# Altium PCB pcb.PcbDoc (part 1 of 4) (continued)
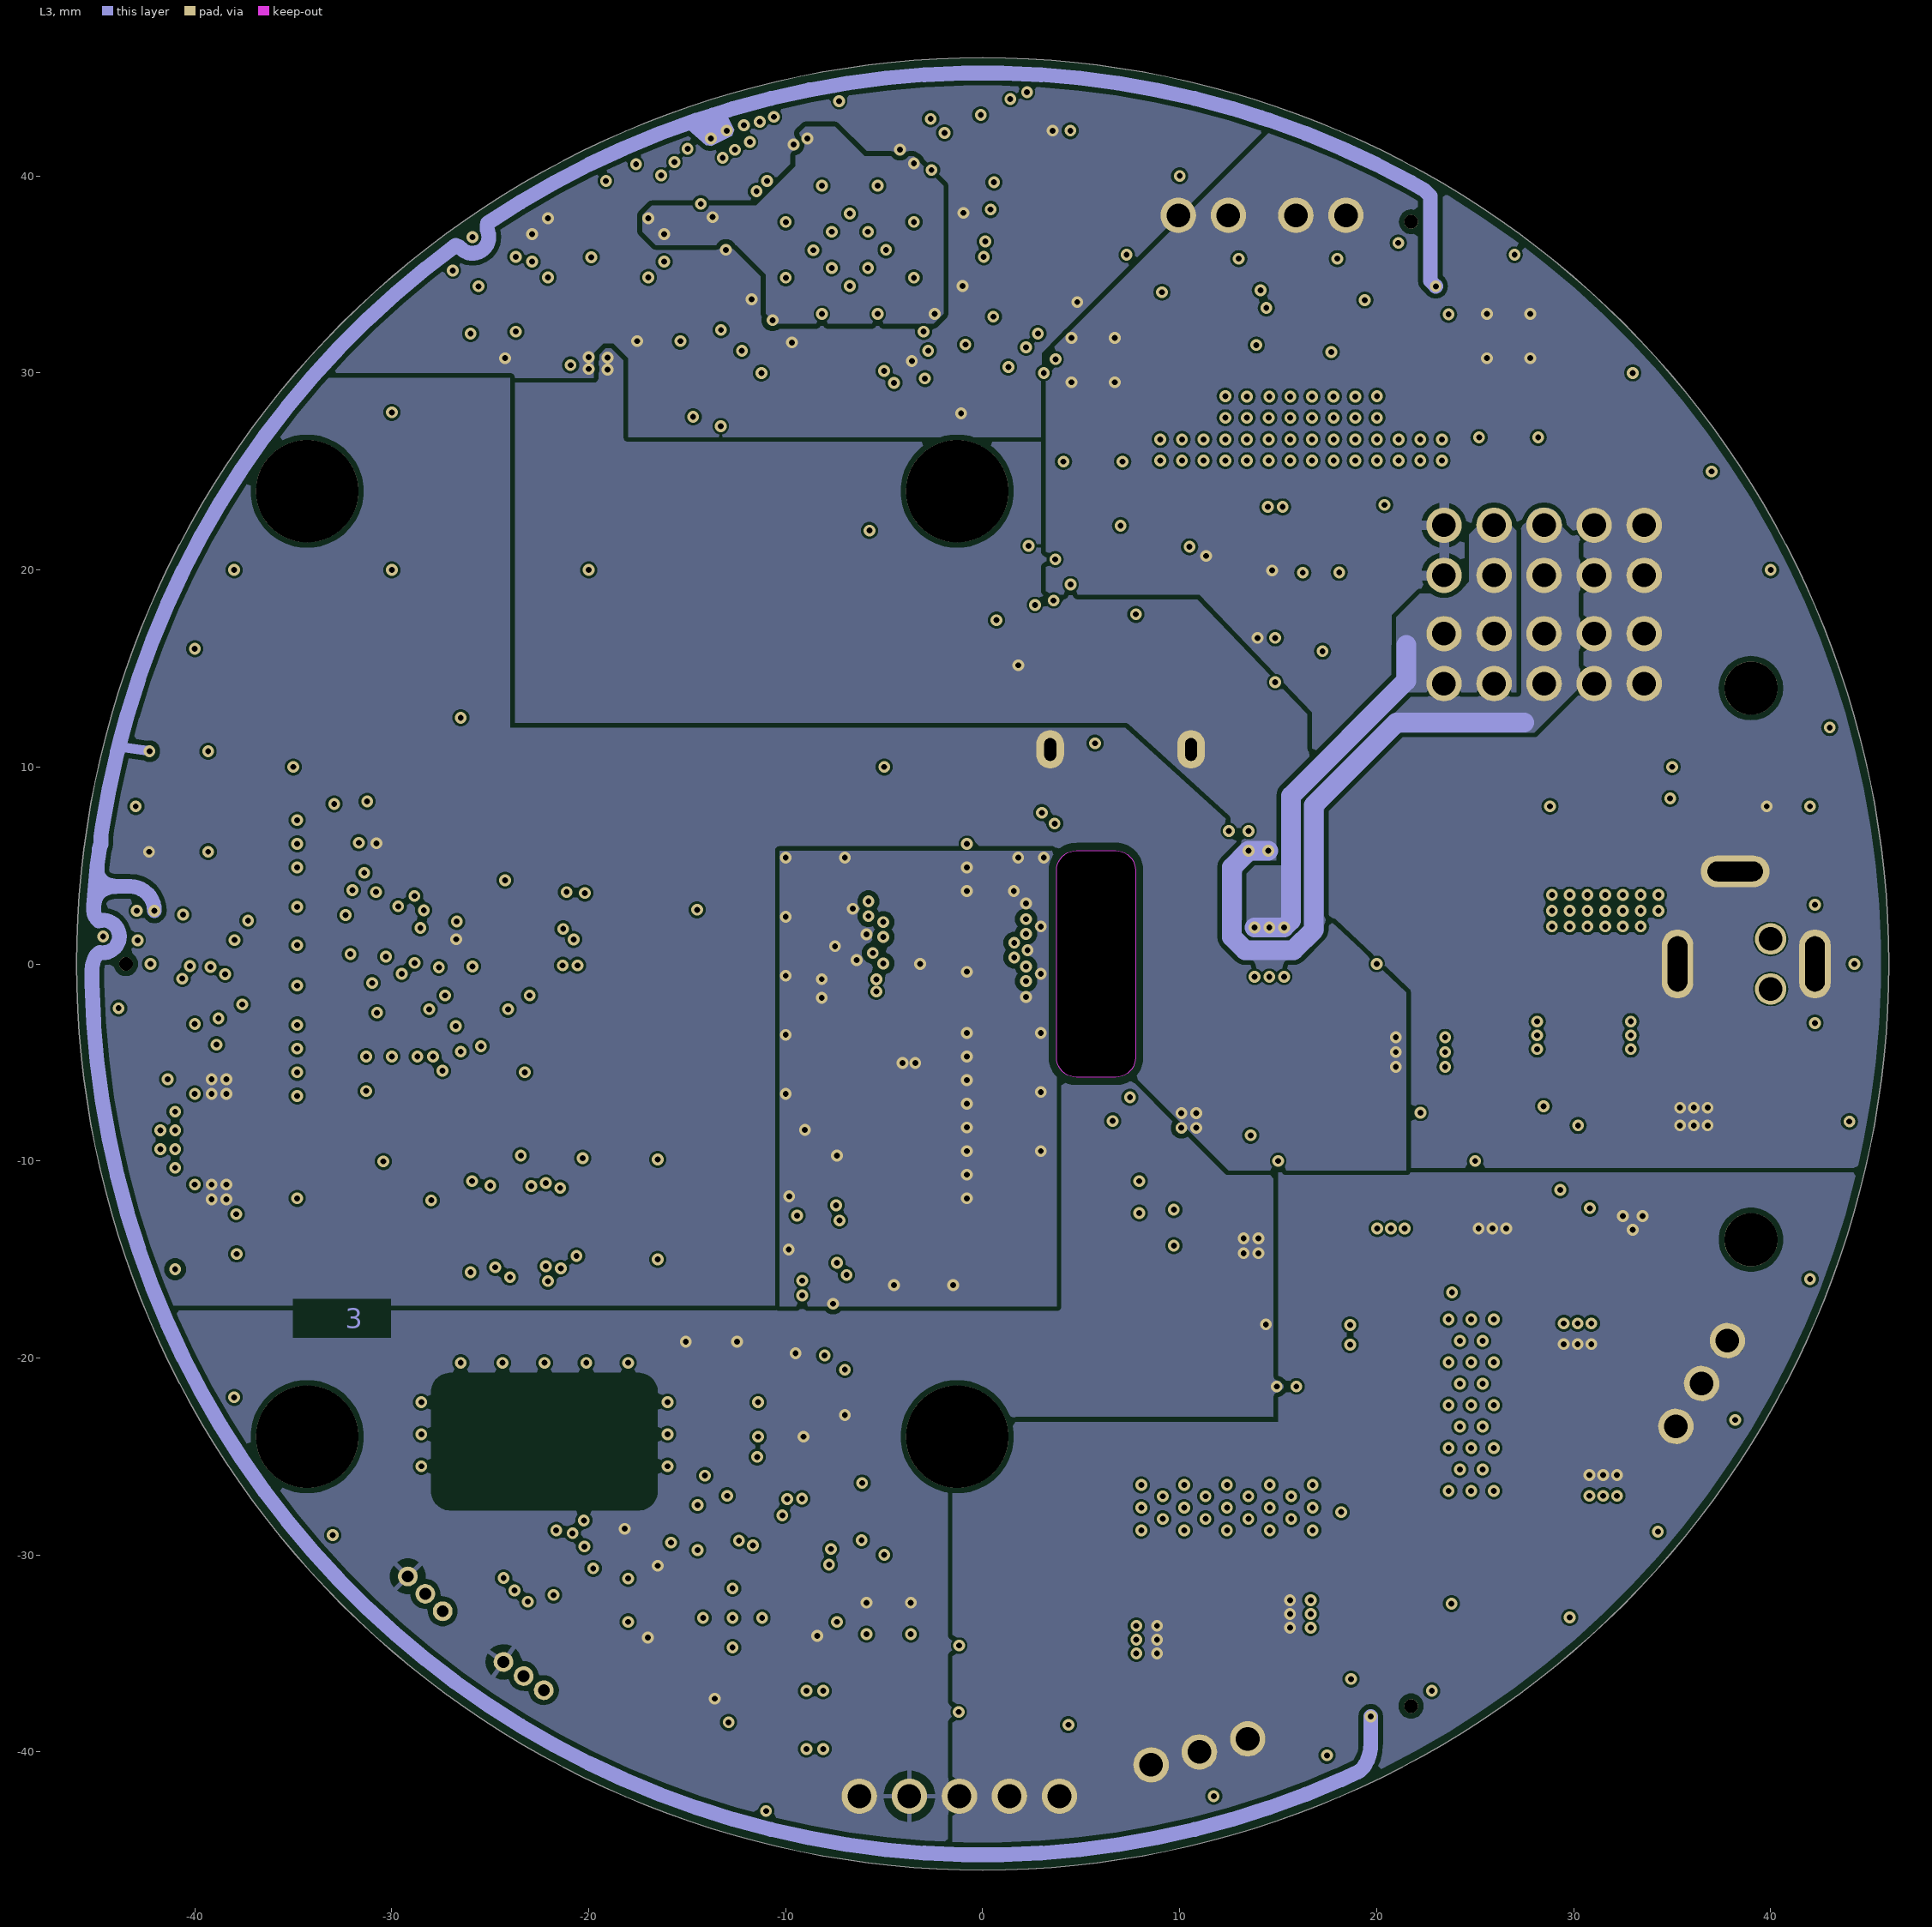
[diagram p3: L3]
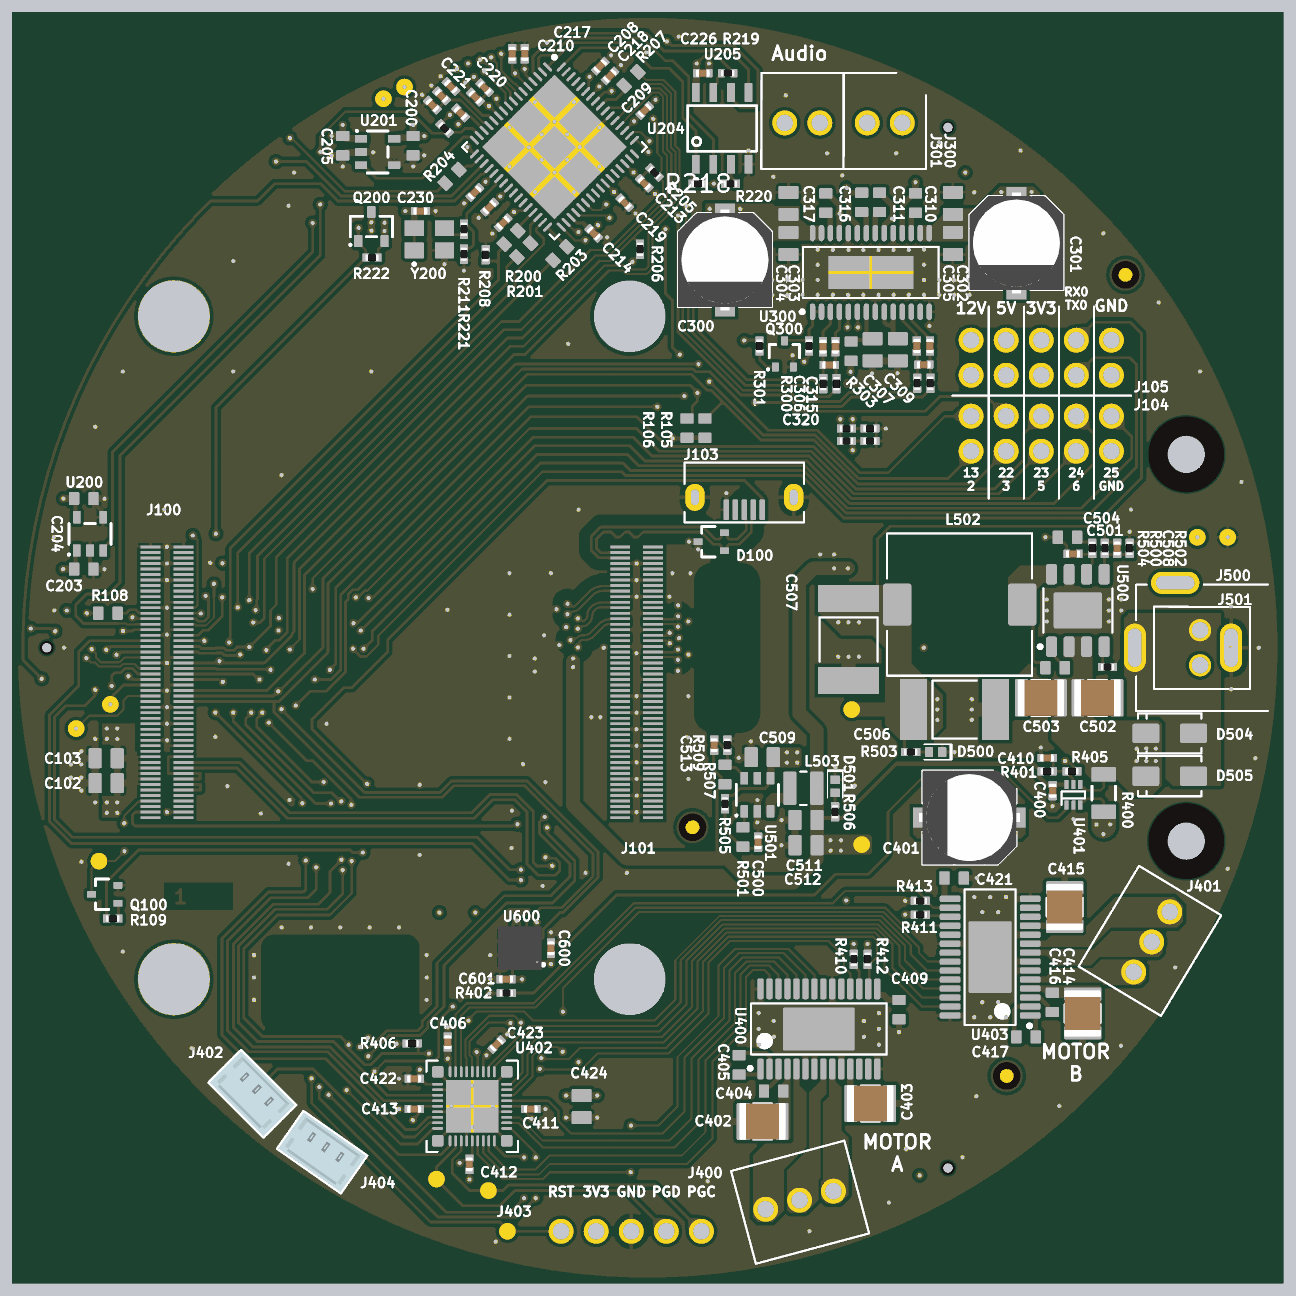
[diagram p7: 3D render of the assembled board from above, using the file's embedded part models]

## Layer stack, top to bottom
Top Solder: solder mask 0.0102, Solder Resist, Dk 3.5
L1: signal copper 0.035
Dielectric 2: prepreg 0.122, FR4, Dk 4.2
L2: signal copper 0.035
Dielectric 1: dielectric 1.15, FR-4, Dk 4.2
L3: signal copper 0.035
Dielectric 5: prepreg 0.122, FR4, Dk 4.2
L4: signal copper 0.035
Bottom Solder: solder mask 0.0102, Solder Resist, Dk 3.5

## Board outline
0,-46 cw(c0,0) -46,0 cw(c0,0) 0,46 cw(c0,0) 46,0 cw(c0,0)
cut-out: 3.75,-4.75 3.75,4.75 cw(c4.75,4.75) 4.75,5.75 6.75,5.75 cw(c6.75,4.75) 7.75,4.75 7.75,-4.75 cw(c6.75,-4.75) 6.75,-5.75 4.75,-5.75 cw(c4.75,-4.75)

## Design rules (kind name [scope] priority, off if disabled: settings)
AssemblyTestPointUsage [All] p1 off: valid=2
AssemblyTestpoint [All] p1 off: testpointundercomponent=TRUE minsize=1.016 maxsize=2.54 preferedsize=1.524 minholesize=0 maxholesize=1.016 preferedholesize=0.813 testpointgrid=0.025 usegrid=TRUE gridtolerance=0 allowsidetop=TRUE allowsidebottom=TRUE
BoardOutlineClearance [All] p1: gap=0.4 ignorepadtopadclearanceinfootprint=FALSE
Clearance Clearance_DiffToPolyEXT [InDifferentialPairClass('100ohm_diff') or InDifferentialPairClass('USB') vs InPoly AND OnOutside] p1: gap=0.8 ignorepadtopadclearanceinfootprint=FALSE
Clearance Clearance_DiffToPolyINT [InDifferentialPairClass('100ohm_diff') or InDifferentialPairClass('USB') vs InPoly] p2: gap=0.4 ignorepadtopadclearanceinfootprint=FALSE
Clearance Clearance_12VPoly [InNet('12V') OR InNet('12VMOT') OR InNet('12V_AUDIO_AVCC') vs InPoly] p3: gap=0.3 ignorepadtopadclearanceinfootprint=FALSE except(0.275: Arc-Hole Track-Hole SMDPad-Hole THPad-Hole Via-Hole Fill-Hole Poly-Hole Region-Hole Text-Hole)
Clearance Clearance_PolyEXT [InPoly] p4: gap=0.25 ignorepadtopadclearanceinfootprint=FALSE except(0.275: Arc-Hole Track-Hole SMDPad-Hole THPad-Hole Via-Hole Fill-Hole Poly-Hole Region-Hole Text-Hole)
Clearance Clearance_MicHoles [InComponent('MIC200') OR InComponent('MIC201') OR InComponent('MIC202') OR InComponent('MIC203')] p5: gap=0.15 ignorepadtopadclearanceinfootprint=FALSE
Clearance [All] p6: gap=0.15 ignorepadtopadclearanceinfootprint=FALSE except(0.275: Arc-Hole Track-Hole SMDPad-Hole THPad-Hole Via-Hole Fill-Hole Poly-Hole Region-Hole Text-Hole)
ComponentClearance RPI_ComponentClearance [InComponent('ASM100') vs InComponent('J100') or InComponent('J101')] p1: gap=-50 collisioncheckmode=3 verticalgap=2540 showdistances=FALSE checkcomponentboundary=TRUE
ComponentClearance PowerConnectorClearance [InComponent('J500') vs InComponent('J501')] p2: gap=-50 collisioncheckmode=3 verticalgap=2540 showdistances=FALSE checkcomponentboundary=TRUE
ComponentClearance [All] p3: gap=0 collisioncheckmode=3 verticalgap=0.1 showdistances=FALSE donotcheckwithout3dbody=TRUE
DiffPairsRouting DiffPairsRouting_100ohm [InDifferentialPairClass('100ohm_diff')] p1: maxlimit=0.254 minlimit=0.15 mostfreqgap=0.254 toplayer_mingap=0.16 toplayer_maxgap=0.181 toplayer_prefgap=0.18 toplayer_minwidth=0.15 toplayer_maxwidth=0.159 toplayer_prefwidth=0.158 bottomlayer_mingap=0.16 bottomlayer_maxgap=0.181 bottomlayer_prefgap=0.18 bottomlayer_minwidth=0.15 bottomlayer_maxwidth=0.159 bottomlayer_prefwidth=0.158 impedanceprofiledriven=TRUE impedanceprofileid={0884B48A-7691-40C5-9A34-36CA699BFCDF} impedanceprofilevalue=100.000000 maxuncoupledlength=12.7
DiffPairsRouting DiffPairsRouting_USB [InDifferentialPairClass('USB')] p2: maxlimit=0.254 minlimit=0.15 mostfreqgap=0.254 toplayer_mingap=0.175 toplayer_maxgap=0.175 toplayer_prefgap=0.175 toplayer_minwidth=0.197 toplayer_maxwidth=0.197 toplayer_prefwidth=0.197 bottomlayer_mingap=0.175 bottomlayer_maxgap=0.175 bottomlayer_prefgap=0.175 bottomlayer_minwidth=0.197 bottomlayer_maxwidth=0.197 bottomlayer_prefwidth=0.197 impedanceprofiledriven=TRUE impedanceprofileid={7C0F7D98-D337-4360-AD67-678D260CBDDC} impedanceprofilevalue=90.000000 maxuncoupledlength=12.7
FabricationTestPointUsage [All] p1 off: valid=2 allowmultiple=FALSE
FabricationTestpoint [All] p1 off: side=3 testpointundercomponent=TRUE minsize=1.016 maxsize=2.54 preferedsize=1.524 minholesize=0 maxholesize=1.016 preferedholesize=0.813 testpointgrid=0.025 allowsidetop=TRUE allowsidebottom=TRUE usegrid=TRUE gridtolerance=0
Height [All] p1 off: minheight=0 maxheight=25.4 prefheight=12.7
HoleSize [All] p1: absolutevalues=TRUE maxlimit=6 minlimit=0.3 maxpercent=80.000 minpercent=20.000
HoleToHoleClearance [All] p1: gap=0.2 allowstackedmicrovias=FALSE
MatchedLengths MatchedLengths_USB [InDifferentialPairClass('USB')] p1: tolerance=0.15 checknetsindiffpair=TRUE checkdiffpairvsdiffpair=FALSE checkxsignals=FALSE checkothers=FALSE
MinimumSolderMaskSliver [All] p1: minsoldermaskwidth=0.1
PolygonConnect 5V_converter_poly [All vs IsNamedPolygon('TOP_5V_converter')] p1: connectstyle=Direct reliefconductorwidth=0.254 reliefentries=4 polygonreliefangle="90 Angle" airgapwidth=0.254
PolygonConnect PolygonConnect_HighPower [InNet('12V')] p2: connectstyle=Direct reliefconductorwidth=0.254 reliefentries=4 polygonreliefangle="90 Angle" airgapwidth=0.254
PolygonConnect [All] p3: thpad.connectstyle=Relief thpad.reliefconductorwidth=0.25 thpad.reliefentries=4 thpad.polygonreliefangle="90 Angle" thpad.airgapwidth=0.4 smdpad.connectstyle=Relief smdpad.reliefconductorwidth=0.2 smdpad.reliefentries=4 smdpad.polygonreliefangle="90 Angle" smdpad.airgapwidth=0.2 via.connectstyle=Direct via.reliefconductorwidth=0.254 via.reliefentries=4 via.polygonreliefangle="90 Angle" via.airgapwidth=0.254
RoutingVias [All] p1: holewidth=0.3 width=0.6 viastyle="Through Hole" minholewidth=0.3 minwidth=0.6 maxholewidth=0.3 maxwidth=0.6
SilkToSilkClearance [All] p1: silktosilkclearance=0.1
SilkToSolderMaskClearance [IsPad] p1: minsilkscreentomaskgap=0.2 clearancetoexposedcopper=TRUE
SolderMaskExpansion SolderMaskExpansion_Vias [IsVia] p1: expansion=0.102 istentingtop=TRUE
SolderMaskExpansion [All] p2: expansion=0 istentingtop=FALSE
UnRoutedNet [All] p1: checkbadconnections=TRUE
Width [All] p1: maxlimit=1 minlimit=0.15 preferedwidth=0.2
17 further rules are at their usual default settings.

## Classes and differential pairs
component class Accelerometer: C600 C601 U600
differential pair class USB: USB0
polygon class PolyClass_HighPower: 12V_L01_P007 L3_5V
component class PSU: C500 C501 C502 C503 C504 C505 C506 C507 C508 C509 C511 C512 C513 D500 D501 D504 D505 J500 J501 L502 L503 R500 R501 R502 R503 R504 R505 R506 R507 R508 R509 TP502 TP503 TP504 TP507 U500 U501
differential pair class 100ohm_diff: CAM0_CLK CAM0_D0 CAM0_D1 CAM1_CLK CAM1_D0 CAM1_D1
component class "Motors Controller": C400 C401 C402 C403 C404 C405 C406 C409 C410 C411 C412 C413 C414 C415 C416 C417 C421 C422 C423 C424 J400 J401 J402 J403 J404 R400 R401 R402 R405 R406 R410 R411 R412 R413 TP400 TP401 TP402 U400 U401 U402 U403
component class "Speaker Driver": C300 C301 C302 C303 C304 C305 C306 C307 C308 C309 C310 C311 C312 C313 C314 C315 C316 C317 C318 C319 C320 C321 J300 J301 L300 L301 L302 L303 Q300 R300 R301 R302 R303 R304 R306 R307 R308 R309 R310 R311 U300
component class Audio: C200 C203 C204 C205 C208 C209 C210 C211 C212 C213 C214 C215 C216 C217 C218 C219 C220 C221 C222 C223 C224 C225 C226 C228 C229 C230 MIC200 MIC201 MIC202 Q200 R200 R201 R202 R203 R204 R205 R206 R207 R208 R209 R210 R211 R212 R213 R214 R215 R216 R217 R218 R219 R220 R221 R222 TP200 TP201 U200 U201 U204 U205 Y200
component class Main: ASM100 C100 C101 C102 C103 C106 C107 D100 FID100 FID101 FID102 FID103 FID104 FID105 J100 J101 J102 J103 J104 J105 Q100 R101 R102 R103 R104 R105 R106 R108 R109 TP100 TP101 TP102
differential pair USB0: +USB0_P -USB0_N
differential pair CAM1_D1: +CAM1_D1_P -CAM1_D1_N
differential pair CAM1_D0: +CAM1_D0_P -CAM1_D0_N
differential pair CAM1_CLK: +CAM1_CLK_P -CAM1_CLK_N
differential pair CAM0_D1: +CAM0_D1_P -CAM0_D1_N
differential pair CAM0_D0: +CAM0_D0_P -CAM0_D0_N
differential pair CAM0_CLK: +CAM0_CLK_P -CAM0_CLK_N

## Components (designator, comment, footprint, x,y, rotation, side; value= is the part's Value field where it differs from the comment)
ASM100 "CM4101008" "RASPBERRY PI CM4 EMMC" -17.8,0 r90 top locked
C100 "CL05A105KP5NNNC" CAPC1005X60L -27.425,1.7 r270 bottom
C101 "CL05A105KP5NNNC" CAPC1005X60L -31.225,5.425 r0 bottom
C102 "CL21A226MOQNNNE" CAPC2013X145L -39.2,-9.8 r0 top
C103 "CL21A226MOQNNNE" CAPC2013X145L -39.2,-8 r0 top
C106 "CL05A105KP5NNNC" CAPC1005X60L -6.825,-0.775 r0 bottom
C107 "CL05A105KP5NNNC" CAPC1005X60L -6.825,-1.725 r0 bottom
C200 "CL10A105KO8NNNC" CAPC1608X90L -16.975,36.35 r90 top
C203 "CL10A105KO8NNNC" CAPC1608X90L -40.823,5.694 r180 top
C204 "CL10A105KO8NNNC" CAPC1608X90L -40.823,10.794 r180 top
C205 "CL10A105KO8NNNC" CAPC1608X90L -22.075,36.35 r90 top
C208 "CL05B104KO5NNNC" CAPC1005X60L -3.423,42.119 r225 top
C209 "CL05B104KO5NNNC" CAPC1005X60L -0.206,38.902 r225 top
C210 "CL05B104KO5NNNC" CAPC1005X60L -9.8,43 r270 top
C211 "CL05B104KO5NNNC" CAPC1005X60L -11.449,31.901 r45 top
C212 "CL05B104KO5NNNC" CAPC1005X60L -13.535,38.725 r315 top
C213 "CL05B104KO5NNNC" CAPC1005X60L -0.241,33.634 r135 top
C214 "CL05B104KO5NNNC" CAPC1005X60L -3.9,30 r135 top
C215 "CL05B104KO5NNNC" CAPC1005X60L -12.509,32.962 r45 top
C216 "CL05A105KP5NNNC" CAPC1005X60L -10.459,30.77 r45 top
C217 "CL05B104KO5NNNC" CAPC1005X60L -8.9,43 r270 top
C218 "CL05B104KO5NNNC" CAPC1005X60L -2.716,41.412 r225 top
C219 "CL05B104KO5NNNC" CAPC1005X60L -1.655,32.219 r135 top
C220 "CL05A105KP5NNNC" CAPC1005X60L -11.8,40.55 r315 top
C221 "CL05A105KP5NNNC" CAPC1005X60L -12.475,39.875 r315 top
C222 "CL05B104KO5NNNC" CAPC1005X60L -14.914,39.962 r315 top
C223 "CL05A105KP5NNNC" CAPC1005X60L -15.585,39.291 r315 top
C224 "CL05B104KO5NNNC" CAPC1005X60L -14.242,40.634 r315 top
C225 "CL05A105KP5NNNC" CAPC1005X60L 22.6,35.2 r240 bottom
C226 "CL05A105KP5NNNC" CAPC1005X60L 4,41.6 r180 top
C228 "CL05A105KP5NNNC" CAPC1005X60L -42.5,2.025 r0 bottom
C229 "CL05A105KP5NNNC" CAPC1005X60L 19.2,-37.2 r300 bottom
C230 "CL05A105KP5NNNC" CAPC1005X60L -16.449,31.616 r180 top
C300 "A768EB826M1ELAE036" CAPAE660X60L 5.6,28.075 r270 top
C301 "A768EB826M1ELAE036" CAPAE660X60L 26.7,29.3 r270 top
C302 "CL21B105KBFNNNG" CAPC2013X145L 22.1,32.175 r270 top
C303 "CL21B105KBFNNNG" CAPC2013X145L 10.2,32.175 r270 top
C304 "CL21B105KBFNNNG" CAPC2013X145L 10.2,29.275 r90 top
C305 "CL21B105KBFNNNG" CAPC2013X145L 22.1,29.275 r90 top
C306 "CL05A105KP5NNNC" CAPC1005X60L 12.7,21.8 r270 top
C307 "CL21B105KBFNNNG" CAPC2013X145L 16.289,21.575 r90 top
C308 "CL05A105KP5NNNC" CAPC1005X60L 19.489,21.85 r270 top
C309 "CL21B105KBFNNNG" CAPC2013X145L 18.113,21.575 r90 top
C310 "CL10B474KA8NNNC" CAPC1608X90L 19.4,32.2 r90 top
C311 "CL10B474KA8NNNC" CAPC1608X90L 16.8,32.25 r90 top
C312 "CL10B102KB8NNNC" CAPC1608X90L 14.8,35 r0 bottom
C313 "CL05A105KP5NNNC" CAPC1005X60L 20.439,21.85 r270 top
C314 "CL10B102KB8NNNC" CAPC1608X90L 17.3,35 r180 bottom
C315 "CL05A105KP5NNNC" CAPC1005X60L 13.6,21.8 r270 top
C316 "CL10B474KA8NNNC" CAPC1608X90L 15.5,32.25 r90 top
C317 "CL10B474KA8NNNC" CAPC1608X90L 12.9,32.2 r90 top
C318 "CL10B102KB8NNNC" CAPC1608X90L 9.8,35 r0 bottom
C319 "CL10B102KB8NNNC" CAPC1608X90L 12.3,35 r180 bottom
C320 "CL05B103KB5NNN" CAPC1005X60L 13.15,20.475 r180 top
C321 "CL05B103KB5NNN" CAPC1005X60L 20,20.5 r180 top
C400 "CL05B104KO5NNNC" CAPC1005X60L 29.325,-10.35 r90 top
C401 "A768EB826M1ELAE036" CAPAE660X60L 23.3,-12.3 r180 top
C402 "CL32B106KBJNNNE" CAPC3225X270L 8.325,-34.3 r0 top
C403 "CL32B106KBJNNNE" CAPC3225X270L 16.125,-33 r180 top
C404 "CL10B104KB8NNNC" CAPC1608X90L 9.125,-32.1 r0 top
C405 "CL10B103KB8NNNC" CAPC1608X90L 6.625,-30.2 r270 top
C406 "C0402C681J5GAC" CAPC1005X60L -14.475,-28.55 r270 top
C409 "CL10B105KA8NNNC" CAPC1608X90L 18.2,-26.2 r90 top
C410 "CL05B104KO5NNNC" CAPC1005X60L 28.925,-7.975 r0 top
C411 "CL05A105KP5NNNC" CAPC1005X60L -8.45,-33.4 r180 top
C412 "CL05A105KP5NNNC" CAPC1005X60L -12.9,-37.4 r90 top
C413 "CL05A105KP5NNNC" CAPC1005X60L -16.9,-33.4 r0 top
C414 "CL32B106KBJNNNE" CAPC3225X270L 31.5,-26.475 r90 top
C415 "CL32B106KBJNNNE" CAPC3225X270L 30.2,-18.775 r270 top
C416 "CL10B104KB8NNNC" CAPC1608X90L 29.3,-25.675 r90 top
C417 "CL10B103KB8NNNC" CAPC1608X90L 27.4,-28.175 r0 top
C421 "CL10B105KA8NNNC" CAPC1608X90L 22.2,-16.675 r180 top
C422 "CL05A105KP5NNNC" CAPC1005X60L -16.9,-31.2 r0 top
C423 "CL05B104KO5NNNC" CAPC1005X60L -10.925,-28.725 r225 top
C424 "CL21A226MOQNNNE" CAPC2013X145L -4.775,-33.225 r90 top
C500 "CL05B104KO5NNNC" CAPC1005X60L 8,-14.075 r270 top
C501 "GRM1555C1H101JA01D" CAPC1005X60L 30.8,6.8 r0 top
C502 "CL32B106KBJNNNE" CAPC3225X270L 32.575,-3.625 r180 top
C503 "CL32B106KBJNNNE" CAPC3225X270L 28.475,-3.625 r0 top
C504 "CL10B332KB8NNNC" CAPC1608X90L 30.4,8 r0 top
C505 "CL10B104KB8NNNC" CAPC1608X90L 29.5,-1.45 r180 top
C506 "ECASD40J476M025K00" CAPMP7343X20L 22.225,-4.475 r0 top
C507 "ECASD40J476M025K00" CAPMP7343X20L 14.55,0.6 r270 top
C508 "GRM1555C1H101JA01D" CAPC1005X60L 34,7.2 r90 top
C509 "CL21A226MOQNNNE" CAPC2013X145L 8.3,-7.925 r0 top
C511 "CL21A226MOQNNNE" CAPC2013X145L 11.475,-12.475 r0 top
C512 "CL21A226MOQNNNE" CAPC2013X145L 11.475,-14.3 r0 top
C513 "GRM1555C1H101JA01D" CAPC1005X60L 4.825,-7.05 r270 top
C600 "CL05A105KO5NNNC" CAPC1005X60L -7,-21.75 r270 top
C601 "CL05A105KO5NNNC" CAPC1005X60L -10.25,-24 r0 top
D100 "TPD2E2U06DCKR" SOT65P210X110-3L 4.6,7.675 r180 top
D500 "LTST-C281KRKT" LEDSC100X50X35-2L 20.85,-7.55 r0 top
D501 "LTST-C281KRKT" LEDSC100X50X35-2L 13.575,-10.025 r90 top
D504 "SK34A" DIOM4326X250L 37.8,-6.2 r0 top
D505 "SK34A" DIOM4326X250L 37.8,-9.3 r0 top
FID100 "FIDUCIAL" "FIDUCIAL 2MM" 34.6,27 r0 top
FID101 "FIDUCIAL" "FIDUCIAL 2MM" 3.25,-13 r0 top
FID102 "FIDUCIAL" "FIDUCIAL 2MM" 26,-31 r0 top
FID103 "FIDUCIAL" "FIDUCIAL 2MM" 34.6,27 r180 bottom
FID104 "FIDUCIAL" "FIDUCIAL 2MM" -3.212,7.869 r180 bottom
FID105 "FIDUCIAL" "FIDUCIAL 2MM" 22,-31 r180 bottom
J100 "DF40HC(3.0)-100DS-0.4v" DF40HC(3.0)-100DS-0.4V -34.8,-2.5 r90 top locked
J101 "DF40HC(3.0)-100DS-0.4v" DF40HC(3.0)-100DS-0.4V -0.8,-2.5 r90 top locked
J102 "5046184012" "MOLEX 5046184012" -3.175,0 r270 bottom
J103 "USB3140-30-0170-0-C" USB3140-30-0170-0-C 7,11.25 r180 top
J104 "10129381-910001BLF" "GOLDPIN 2.54 2X5" 28.5,15.5 r0 top
J105 "10129381-910001BLF" "GOLDPIN 2.54 2X5" 28.5,21 r0 top
J300 "282834-2" "TE 282834-2"#1 17.17,38 r180 top
J301 "282834-2" "TE 282834-2"#1 11.2,38 r180 top
J400 "282834-3" "TE 282834-3" 11,-40 r15 top
J401 "282834-3" "TE 282834-3" 36.5,-21.3 r239 top
J402 "53047-0310" "MOLEX 53047-0310" -28.3,-31.975 r315 top
J403 "G800W303018EU" "Goldpin 2.54 1x5" -1.185,-42.25 r0 top
J404 "53047-0310" "MOLEX 53047-0310" -23.307,-36.152 r325 top
J500 "PC-GK2.1" "NINIGI PC-GK2.1" 42,0 r90 top
J501 "282834-2" "TE 282834-2"#2 40,0 r90 top
L300 "BLM21PG121SN1D" INDC2013X105L 17.7,32.925 r90 bottom
L301 "BLM21PG121SN1D" INDC2013X105L 15.9,32.925 r90 bottom
L302 "BLM21PG121SN1D" INDC2013X105L 12.1,32.925 r90 bottom
L303 "BLM21PG121SN1D" INDC2013X105L 10.3,32.925 r90 bottom
L502 "SRR1050A-8R2Y" IND102100X51L 22.595,3.125 r180 top
L503 "SRN2510F-2R2M" IND2510X10L 11.275,-10.175 r0 top
MIC200 "SPH0655LM4H-1" "KNOWLES SPH0655LM4H-1"#1 21.392,37.059 r330 bottom
MIC201 "SPH0655LM4H-1" "KNOWLES SPH0655LM4H-1"#2 -42.79,0 r90 bottom
MIC202 "SPH0655LM4H-1" "KNOWLES SPH0655LM4H-1"#3 21.395,-37.057 r210 bottom
Q100 "BC817-40W" SOT65P210X110-3L -39.3,-17.85 r180 top
Q200 "IRLML2246TRPBF" SOT95P240X110-3L -20,30.5 r90 top
Q300 "BC817-40W" SOT65P210X110-3L 9.9,21.275 r90 top
R101 "RC0603FR-074K7L" RESC1608X55L -11.174,-17.675 r270 bottom
R102 "RC0603FR-074K7L" RESC1608X55L -12.474,-17.675 r270 bottom
R103 "RC0603FR-074K7L" RESC1608X55L -13.775,-17.675 r270 bottom
R104 "RC0603FR-074K7L" RESC1608X55L -15.075,-17.675 r270 bottom
R105 "RC0603FR-074K7L" RESC1608X55L 4.15,15.9 r270 top
R106 "RC0603FR-074K7L" RESC1608X55L 2.85,15.9 r270 top
R108 "RC0603FR-0722RL" RESC1608X55L -39.075,2.5 r0 top
R109 "RC0402FR-0710KL" RESC1005X40L -38.725,-19.6 r180 top
R200 "RC0603FR-0722RL" RESC1608X55L -9.893,29.709 r225 top
R201 "RC0603FR-0722RL" RESC1608X55L -8.974,28.79 r225 top
R202 "RC0402FR-0710KL" RESC1005X40L -14.7,37.6 r315 top
R203 "RC0603FR-0722RL" RESC1608X55L -6.35,28.55 r225 top
R204 "RC0603FR-0722RL" RESC1608X55L -14.171,34.129 r45 top
R205 "RC0402FR-0710KL" RESC1005X40L 0.5,34.4 r135 top
R206 "RC0402FR-0710KL" RESC1005X40L -0.55,28.85 r270 top
R207 "RC0603FR-0722RL" RESC1608X55L -1.2,41.2 r225 top
R208 "RC0402FR-07100KL" RESC1005X40L -11.725,28.45 r270 top
R209 "RC0402FR-0710KL" RESC1005X40L -1.501,29.1 r270 bottom
R210 "RC0603FR-0722RL" RESC1608X55L 20,34.9 r150 bottom
R211 "0402WGJ0101TCE" RESC1005X40L -13.3,30.3 r90 top
R212 "RC0603FR-0722RL" RESC1608X55L -42.2,-2.3 r180 bottom
R213 "RC0603FR-0722RL" RESC1608X55L 20.2,-34.8 r210 bottom
R214 "RC0402FR-0710KL" RESC1005X40L -0.55,29.1 r270 bottom
R215 "RC0402FR-0710KL" RESC1005X40L 0.4,29.1 r270 bottom
R216 "RC0402FR-0710KL" RESC1005X40L 1.35,29.1 r270 bottom
R217 "RC0402FR-0710KL" RESC1005X40L 2.301,29.1 r270 bottom
R218 "RC0402FR-0710KL" RESC1005X40L 3.65,33.6 r0 top
R219 "RC0402FR-0710KL" RESC1005X40L 5.8,41.6 r0 top
R220 "RC0402FR-0710KL" RESC1005X40L 6,33.6 r180 top
R221 "RC0402FR-07470RL" RESC1005X40L -13.3,28.5 r90 top
R222 "RC0402FR-0710KL" RESC1005X40L -19.95,28.25 r0 top
R300 "RC0402FR-0710KL" RESC1005X40L 11.689,21.85 r270 top
R301 "RC0402FR-07100KL" RESC1005X40L 8.1,21.85 r270 top
R302 "RC0402FR-07100KL" RESC1005X40L 14.4,14.975 r180 top
R303 "RC0603FR-0710RL" RESC1608X55L 14.739,21.475 r90 top
R304 "RC0402FR-07100KL" RESC1005X40L 14.4,15.875 r180 top
R306 "RC0402FR-07100KL" RESC1005X40L 16.1,14.975 r180 top
R307 "RC0402FR-07100KL" RESC1005X40L 16.1,15.875 r180 top
R308 "RC0402FR-07220RL" RESC1005X40L 12.725,19.125 r90 top
R309 "RC0402FR-07220RL" RESC1005X40L 19.525,19.15 r90 top
R310 "RC0402FR-07220RL" RESC1005X40L 13.675,19.125 r90 top
R311 "RC0402FR-07220RL" RESC1005X40L 20.475,19.15 r90 top
R400 "ERJ-8CWFR039V" RESC3216X65L 33.025,-10.525 r270 top
R401 "RC0402FR-0710KL" RESC1005X40L 28.925,-8.95 r180 top
R402 "0402WGJ0101TCE" RESC1005X40L -10.225,-25 r180 top
R405 "RC0402FR-0710KL" RESC1005X40L 30.725,-8.95 r180 top
R406 "RC0402FR-0710KL" RESC1005X40L -17.05,-28.65 r180 top
R410 "RC0402FR-0710KL" RESC1005X40L 14.925,-22.55 r90 top
R411 "RC0402FR-0710KL" RESC1005X40L 19.75,-19.325 r180 top
R412 "RC0402FR-0710KL" RESC1005X40L 15.925,-22.55 r270 top